# Altium PCB PRO2.PcbDoc (part 2 of 2)
Units mil, origin at the board's own origin, x right, y up, seen from the top; angles counter-clockwise.
Board outline 7000 x 3100 mil, 2 copper layers (Top Layer, Bottom Layer); 103 components, 180 nets, 670 pads, 125 vias.
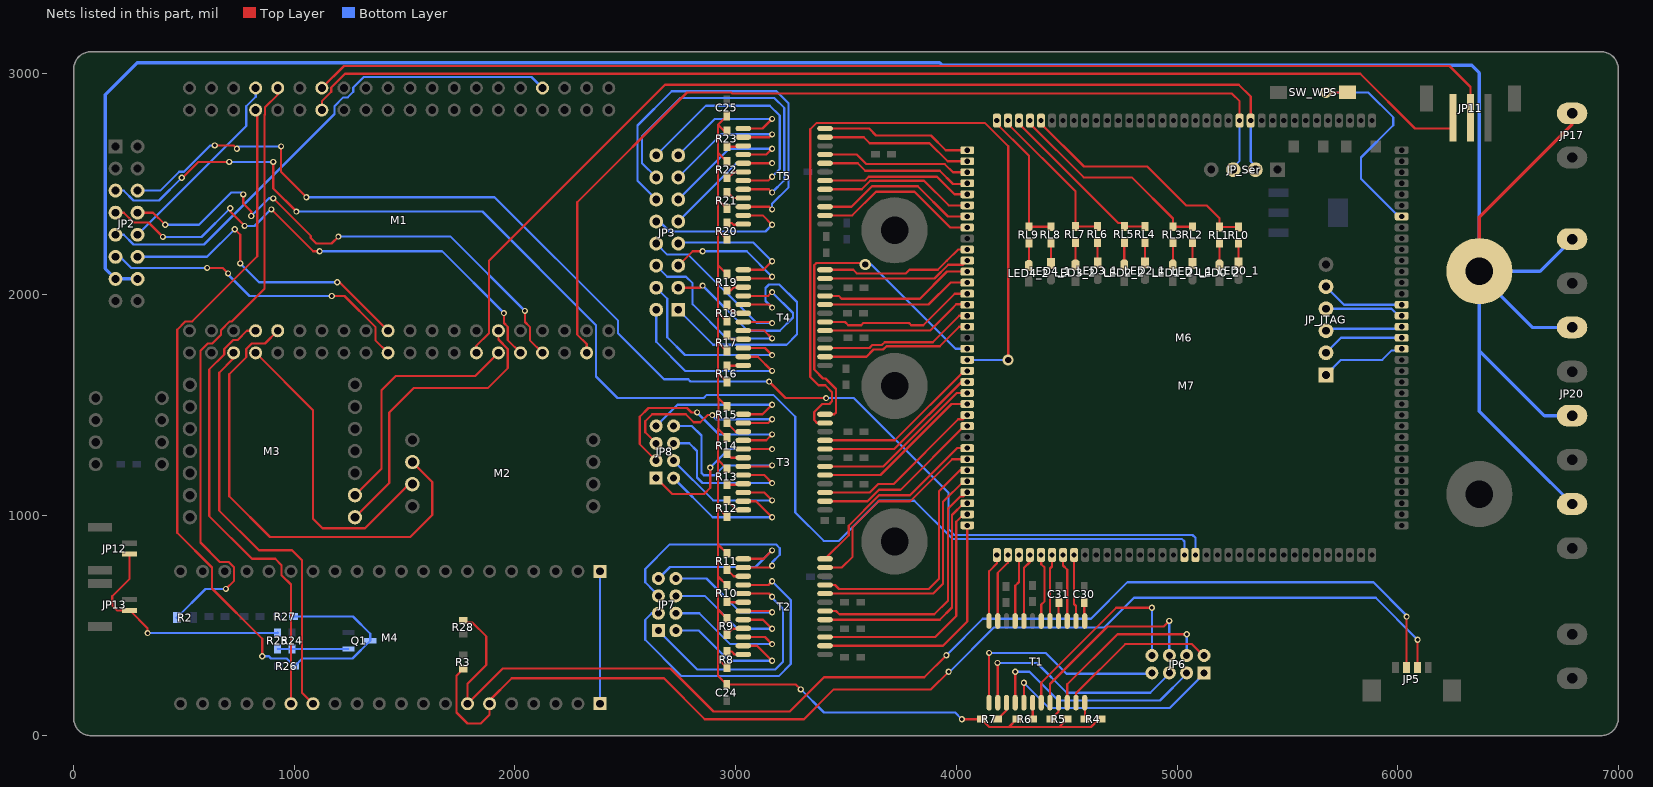
[diagram p2: the nets of this part, all layers, seen from the top]

## Via types
v1: diameter 28, hole 16, Top Layer to Bottom Layer, 106 vias
v2: diameter 50, hole 28, Top Layer to Bottom Layer, 19 vias

## Nets (pads, with @x,y where several pads share a name; then routed paths per layer and width w, separated by ;. In a path a pad name is that pad's centre, name@x,y a point inside that pad or via, vN(x,y) a via of type N, cw(c..) or ccw(c..) an arc to the next point about the centre after c; other vN are vias at no path point) (continued)
NetC24_1: C24.1 C25.1 R4.2 R5.2 R6.2 R7.2 R8.2 R9.2 R10.2 R11.2 R12.2 R13.2 R14.2 R15.2 R16.2 R17.2 R18.2 R19.2 R20.2 R21.2 R22.2 R23.2 | length 5398
  Top Layer w10: R8.2@2960,308.5 2920,348.5 ; R9.2@2960,531.5 2920,571.5 ; R10.2@2960,681.5 2920,721.5 ; R11.2@2960,826.5 2920,866.5 ; R12.2@2960,993.5 2920,1033.5 ; R13.2@2960,1210 2920,1250 ; R14.2@2960,1351.5 2920,1391.5 ; R15.2@2960,1491.5 2922,1529.5 ; R16.2@2960,1603.5 2920,1643.5 ; R17.2@2960,1743.5 2920,1783.5 ; R18.2@2960,1878.5 2920,1918.5 ; R19.2@2960,2091.5 2920,2131.5 ; R20.2@2960,2250 2920,2290 ; R21.2@2960,2388.5 2920,2428.5 ; R22.2@2960,2601.5 2920,2641.5 ; R23.2@2960,2741.5 2947,2741.5 2920,2768.5 ; C25.1@2960,2808.5 2920,2768.5 ; v1(3295,210) 3273.5,231.5 C24.1@2960,231.5 2920,271.5 2920,348.5 ; v1(4025,75) R7.2@4113.5,75 4148.5,40 4238.5,40 ; R6.2@4273.5,75 4238.5,40 ; R5.2@4501.5,75 4466.5,40 ; R4.2@4656.5,75 4645,75 4610,40 4466.5,40 ; 2920,348.5 2920,571.5 ; 2920,571.5 2920,721.5 ; 2920,721.5 2920,866.5 ; 2920,866.5 2920,1033.5 ; 2920,1033.5 2920,1250 ; 2920,1250 2920,1391.5 ; 2920,1391.5 2922,1393.5 2922,1529.5 ; 2920,1643.5 2920,1531.5 2922,1529.5 ; 2920,1643.5 2920,1783.5 ; 2920,1783.5 2920,1918.5 ; 2920,1918.5 2920,2131.5 ; 2920,2131.5 2920,2290 ; 2920,2290 2920,2428.5 ; 2920,2428.5 2920,2641.5 ; 2920,2641.5 2920,2768.5 ; 4238.5,40 4466.5,40
  Bottom Layer w10: v1(3295,210) 3400,105 3995,105 v1(4025,75)
NetC30_2: C30.2 T1.1 | length 84.1
  Top Layer w10: C30.2@4580,603.5 4580,521.57 T1.1@4581.54,520.04
NetC31_2: C31.2 T1.4 | length 84.1
  Top Layer w10: T1.4@4463.43,520.04 4463.43,601.93 C31.2@4465,603.5
NetJP3_1: JP3.1 T4.17 | length 1188.8
  Top Layer w10: T4.17@3034.96,1953.74 3151.26,1953.74 v1(3165,1940)
  Bottom Layer w10: JP3.1@2740,1930 2898,1772 3231,1772 3278,1819 3278,1965 3198,2045 3151,2045 3135,2029 3135,1970 v1(3165,1940)
NetJP3_2: JP3.2 T4.23 | length 881.4
  Top Layer w10: T4.23@3034.96,1717.52 3100.59,1717.52 v1(3165,1653.1)
  Bottom Layer w10: JP3.2@2640,1930 2640,1785 2771.9,1653.1 v1(3165,1653.1)
NetJP3_3: JP3.3 T4.16 | length 925.3
  Top Layer w10: JP3.3@2740,2030 2840,2030 v1(2850,2040) ; T4.16@3034.96,1993.11 3148.11,1993.11 v1(3165,2010)
  Bottom Layer w10: v1(2850,2040) 3055,1835 3200,1835 3260,1895 3260,1915 v1(3165,2010)
NetJP3_4: JP3.4 T4.22 | length 897.1
  Top Layer w10: T4.22@3034.96,1756.89 3133.11,1756.89 v1(3165,1725)
  Bottom Layer w10: JP3.4@2640,2030 2690,1980 2690,1805 2770,1725 v1(3165,1725)
NetJP3_5: JP3.5 T4.14 | length 633
  Top Layer w10: JP3.5@2740,2130 2805,2195 v1(2850,2195) ; T4.14@3034.96,2071.85 3156.85,2071.85 v1(3165,2080)
  Bottom Layer w10: v1(2850,2195) 3050,2195 v1(3165,2080)
NetJP3_6: JP3.6 T4.20 | length 862.1
  Top Layer w10: T4.20@3034.96,1835.63 3129.37,1835.63 v1(3165,1800)
  Bottom Layer w10: JP3.6@2640,2130 2690,2080 2775,2080 2805,2050 2805,1955 2960,1800 v1(3165,1800)
NetJP3_7: JP3.7 T4.13 | length 608.4
  Top Layer w10: T4.13@3034.96,2111.22 3126.22,2111.22 v1(3165,2150)
  Bottom Layer w10: JP3.7@2740,2230 2745,2235 3080,2235 v1(3165,2150)
NetJP3_8: JP3.8 T4.19 | length 806.2
  Top Layer w10: T4.19@3034.96,1875 3160,1875 v1(3165,1870)
  Bottom Layer w10: JP3.8@2640,2230 2690,2180 2785,2180 3095,1870 v1(3165,1870)
NetJP3_9: JP3.9 T5.17 | length 665.2
  Top Layer w10: T5.17@3034.96,2594.06 3164.06,2594.06 v1(3165,2595)
  Bottom Layer w10: JP3.9@2740,2330 3005,2595 v1(3165,2595)
NetJP3_10: JP3.10 T5.23 | length 703.8
  Top Layer w10: T5.23@3034.96,2357.83 3122.17,2357.83 v1(3165,2315)
  Bottom Layer w10: JP3.10@2640,2330 2655,2330 2700,2285 3135,2285 v1(3165,2315)
NetJP3_11: JP3.11 T5.16 | length 661.3
  Top Layer w10: T5.16@3034.96,2633.43 3138.43,2633.43 v1(3165,2660)
  Bottom Layer w10: JP3.11@2740,2430 2970,2660 v1(3165,2660)
NetJP3_12: JP3.12 T5.22 | length 1788.4
  Top Layer w10: T5.22@3034.96,2397.2 3152.8,2397.2 v1(3165,2385)
  Bottom Layer w10: JP3.12@2640,2430 2555,2515 2555,2765 2710,2920 3185,2920 3240,2865 3240,2485 3165,2410 v1(3165,2385)
NetJP3_13: JP3.13 T5.14 | length 641.1
  Top Layer w10: T5.14@3034.96,2712.17 3152.17,2712.17 v1(3165,2725)
  Bottom Layer w10: JP3.13@2740,2530 2935,2725 v1(3165,2725)
NetJP3_14: JP3.14 T5.20 | length 1490.4
  Top Layer w10: T5.20@3034.96,2475.94 3150.56,2475.94 v1(3165,2461.5)
  Bottom Layer w10: JP3.14@2640,2530 2575,2595 2575,2715 2750,2890 3175,2890 3220,2845 3220,2516.5 v1(3165,2461.5)
NetJP3_15: JP3.15 T5.13 | length 641.4
  Top Layer w10: T5.13@3034.96,2751.54 3121.54,2751.54 v1(3165,2795)
  Bottom Layer w10: JP3.15@2740,2630 2905,2795 v1(3165,2795)
NetJP3_16: JP3.16 T5.19 | length 1100.7
  Top Layer w10: T5.19@3034.96,2515.32 3147.32,2515.32 v1(3165,2533)
  Bottom Layer w10: JP3.16@2640,2630 2865,2855 3155,2855 3200,2810 3200,2568 v1(3165,2533)
NetJP6_1: JP6.1 T1.17 | length 1018.5
  Top Layer w10: T1.17@4305.94,149.96 v1(4305.94,239.69)
  Bottom Layer w10: v1(4305.94,239.69) 4420.63,125 4966.22,125 JP6.1@5122.48,281.26
NetJP6_2: JP6.2 T1.23 | length 737.6
  Top Layer w10: T1.23@4542.17,149.96 4542.17,192.17 4765,415 5067.48,415 JP6.2@5122.48,360
NetJP6_3: JP6.3 T1.16 | length 1021.3
  Top Layer w10: T1.16@4266.57,149.96 v1(4266.57,290)
  Bottom Layer w10: v1(4266.57,290) 4331.26,290 4461.26,160 4922.48,160 JP6.3@5043.74,281.26
NetJP6_4: JP6.4 T1.22 | length 817.9
  Top Layer w10: T1.22@4502.8,149.96 4502.8,232.8 4730,460 v1(5043.74,460)
  Bottom Layer w10: JP6.4@5043.74,360 v1(5043.74,460)
NetJP6_5: JP6.5 T1.14 | length 1050.7
  Top Layer w10: v1(4186.5,330) 4187.83,328.67 T1.14@4187.83,149.96
  Bottom Layer w10: v1(4186.5,330) 4365,330 4500,195 4878.74,195 JP6.5@4965,281.26
NetJP6_6: JP6.6 T1.20 | length 903.5
  Top Layer w10: T1.20@4424.06,149.96 4424.06,234.06 4685,495 4940,495 v1(4965,520)
  Bottom Layer w10: JP6.6@4965,360 v1(4965,520)
NetJP6_7: JP6.7 T1.13 | length 1001.6
  Top Layer w10: T1.13@4148.46,149.96 v1(4148.5,375) v1(4148.5,375)
  Bottom Layer w10: v1(4148.5,375) 4405,375 4498.74,281.26 JP6.7@4886.26,281.26
NetJP6_8: JP6.8 T1.19 | length 952.3
  Top Layer w10: T1.19@4384.69,149.96 4384.69,239.69 4725,580 v1(4886.26,580)
  Bottom Layer w10: JP6.8@4886.26,360 v1(4886.26,580)
NetJP7_1: JP7.1 T2.17 | length 1104.1
  Top Layer w10: T2.17@3034.96,644.06 3150.94,644.06 v1(3165,630)
  Bottom Layer w10: JP7.1@2650,476.26 2826.26,300 3180,300 3215,335 3215,575 3165,625 v1(3165,630)
NetJP7_2: JP7.2 T2.23 | length 650.8
  Top Layer w10: T2.23@3034.96,407.83 3097.17,407.83 v1(3165,340)
  Bottom Layer w10: JP7.2@2728.74,476.26 2833.74,476.26 2970,340 v1(3165,340)
NetJP7_3: JP7.3 T2.16 | length 1460.7
  Top Layer w10: T2.16@3034.96,683.43 3148.43,683.43 v1(3165,700)
  Bottom Layer w10: JP7.3@2650,555 2620,555 2590,525 2590,435 2755,270 3195,270 3250,325 3250,615 v1(3165,700)
NetJP7_4: JP7.4 T2.22 | length 637.6
  Top Layer w10: T2.22@3034.96,447.2 3132.8,447.2 v1(3165,415)
  Bottom Layer w10: JP7.4@2728.74,555 2835,555 2975,415 v1(3165,415)
NetJP7_5: JP7.5 T2.14 | length 1049
  Top Layer w10: T2.14@3034.96,762.17 3157.17,762.17 v1(3165,770)
  Bottom Layer w10: JP7.5@2650,633.74 2650,655 2630,655 2590,695 2590,755 2702,867 3183,867 3200,850 3200,820 3165,785 v1(3165,770)
NetJP7_6: JP7.6 T2.20 | length 644.9
  Top Layer w10: T2.20@3034.96,525.94 3124.06,525.94 v1(3165,485)
  Bottom Layer w10: JP7.6@2728.74,633.74 2860,633.74 3008.74,485 v1(3165,485)
NetJP7_7: JP7.7 T2.13 | length 713.8
  Top Layer w10: T2.13@3034.96,801.54 3126.54,801.54 v1(3165,840)
  Bottom Layer w10: JP7.7@2650,712.48 2702.52,765 3090,765 v1(3165,840)
NetJP7_8: JP7.8 T2.19 | length 632.3
  Top Layer w10: T2.19@3034.96,565.32 3158.9,565.32 v1(3165,559.21)
  Bottom Layer w10: JP7.8@2728.74,712.48 2867.52,712.48 3020.79,559.21 v1(3165,559.21)
NetJP8_1: JP8.1 T3.17 | length 823.4
  Top Layer w10: JP8.1@2640,1167.52 2712.52,1095 2856.9,1095 2885,1123.1 v1(2885,1215) ; T3.17@3034.96,1299.06 v1(3165,1299.06)
  Bottom Layer w10: v1(2885,1215) 2969.06,1299.06 v1(3165,1299.06)
NetJP8_2: JP8.2 T3.23 | length 680
  Top Layer w10: T3.23@3034.96,1062.83 3092.17,1062.83 v1(3165,990)
  Bottom Layer w10: JP8.2@2718.74,1167.52 2896.26,990 v1(3165,990)
NetJP8_3: JP8.3 T3.16 | length 1037.1
  Top Layer w10: JP8.3@2640,1246.26 2565,1321.26 2565,1445 2605,1485 2780,1485 2800,1465 v1(2825,1465) ; T3.16@3034.96,1338.43 3138.43,1338.43 v1(3165,1365)
  Bottom Layer w10: v1(2825,1465) 2925,1365 v1(3165,1365)
NetJP8_4: JP8.4 T3.22 | length 665.5
  Top Layer w10: T3.22@3034.96,1102.2 3129.3,1102.2 v1(3165,1066.5)
  Bottom Layer w10: JP8.4@2718.74,1246.26 2898.5,1066.5 v1(3165,1066.5)
NetJP8_5: JP8.5 T3.14 | length 884.4
  Top Layer w10: JP8.5@2640,1325 2590,1375 2590,1425 2621.54,1456.54 2773.46,1456.54 2810,1420 2840,1420 2873.1,1453.1 v1(2895,1453.1) ; T3.14@3034.96,1417.17 3148.34,1417.17 v1(3165,1433.82)
  Bottom Layer w10: v1(2895,1453.1) 2895,1450 2911.18,1433.82 v1(3165,1433.82)
NetJP8_6: JP8.6 T3.20 | length 736
  Top Layer w10: T3.20@3034.96,1180.94 3129.06,1180.94 v1(3165,1145)
  Bottom Layer w10: JP8.6@2718.74,1325 2790,1325 2825,1290 2825,1170 2850,1145 v1(3165,1145)
NetJP8_7: JP8.7 T3.13 | length 712.9
  Top Layer w10: T3.13@3034.96,1456.54 3121.54,1456.54 v1(3165,1500)
  Bottom Layer w10: JP8.7@2640,1403.74 2736.26,1500 v1(3165,1500)
NetJP8_8: JP8.8 T3.19 | length 789.1
  Top Layer w10: T3.19@3034.96,1220.32 3160.32,1220.32 v1(3165,1225)
  Bottom Layer w10: JP8.8@2718.74,1403.74 2801.26,1403.74 2845,1360 2845,1190 2855,1180 2905,1180 2950,1225 v1(3165,1225)
NetJP12_2: JP12.2 JP13.2 R25.2 | length 1080.7
  Top Layer w10: JP12.2@253.86,822.83 253.86,711.5 175,632.64 175,590 197.05,567.95 JP13.2@253.86,567.95 335,486.81 v1(335,465)
  Bottom Layer w10: v1(335,465) 923.5,465 R25.2@925,466.5
NetJP_JTAG_1: JP_JTAG.1 M6.124 | length 391.7
  Bottom Layer w10: JP_JTAG.1@5675,1635 5743.12,1703.12 5929.51,1703.12 5971.32,1744.93 6009.65,1744.93 M6.124@6017.82,1753.1
NetJP_JTAG_2: JP_JTAG.2 M6.123 | length 371
  Bottom Layer w10: JP_JTAG.2@5675,1735 5743.1,1803.1 M6.123@6017.82,1803.1
NetJP_JTAG_3: JP_JTAG.3 M6.122 | length 350.3
  Bottom Layer w10: JP_JTAG.3@5675,1835 5684.05,1844.05 6008.77,1844.05 M6.122@6017.82,1853.1
NetJP_JTAG_4: JP_JTAG.4 M6.121 | length 356
  Bottom Layer w10: JP_JTAG.4@5675,1935 5972.14,1935 6004.04,1903.1 M6.121@6017.82,1903.1
NetJP_JTAG_5: JP_JTAG.5 M6.120 | length 376.7
  Bottom Layer w10: JP_JTAG.5@5675,2035 5756.9,1953.1 M6.120@6017.82,1953.1
NetLED0_1_1: LED0_1.1 RL0.1 | length 90.5
  Top Layer w10: LED0_1.1@5278.82,2141.1 RL0.1@5278.82,2231.6
NetLED0_2_2: LED0_2.2 RL1.1 | length 98.5
  Top Layer w10: LED0_2.2@5192.13,2133.1 RL1.1@5192.13,2231.6
NetLED1_1_1: LED1_1.1 RL2.1 | length 93.5
  Top Layer w10: LED1_1.1@5070.26,2140 RL2.1@5070.26,2233.5
NetLED1_2_2: LED1_2.2 RL3.1 | length 101.7
  Top Layer w10: LED1_2.2@4981.17,2131.9 4981.17,2233.24 RL3.1@4981.43,2233.5
NetLED2_1_1: LED2_1.1 RL4.1 | length 93.5
  Top Layer w10: LED2_1.1@4855,2141.5 RL4.1@4855,2235
NetLED2_2_2: LED2_2.2 RL5.1 | length 101.7
  Top Layer w10: LED2_2.2@4760.92,2133.4 4760.92,2234.74 RL5.1@4761.18,2235
NetLED3_1_1: LED3_1.1 RL6.1 | length 93.5
  Top Layer w10: LED3_1.1@4640.26,2141.5 RL6.1@4640.26,2235
NetLED3_2_2: LED3_2.2 RL7.1 | length 101.6
  Top Layer w10: LED3_2.2@4539.74,2133.4 RL7.1@4539.74,2235
NetLED4_1_1: LED4_1.1 RL8.1 | length 93.5
  Top Layer w10: LED4_1.1@4428.57,2139.6 RL8.1@4428.57,2233.1
NetLED4_2_2: LED4_2.2 RL9.1 | length 101.6
  Top Layer w10: LED4_2.2@4328.57,2131.5 RL9.1@4328.57,2233.1
NetM4_1: M4.1 M4.40 | length 600
  Bottom Layer w10: M4.40@2385,145 M4.1@2385,745
NetM6_112: M6.112 SW_WPS.1 | length 1043.3
  Top Layer w10: v2(5675,2915) 5771.53,2915 SW_WPS.1@5772.31,2915.79
  Bottom Layer w10: v2(5675,2915) 5866.87,2915 5980,2801.87 5980,2766.43 5833.57,2620 5833.57,2523.58 6004.04,2353.1 M6.112@6017.82,2353.1
NetQ1_1: Q1.1 R24.2 R25.1 | length 320.4
  Bottom Layer w10: R25.1@925,393.5 R24.2@990,393.5 990.9,392.6 Q1.1@1245,392.6
NetR4_1: R4.1 T1.24 | length 75.8
  Top Layer w10: T1.24@4581.54,149.96 4583.5,148 R4.1@4583.5,75
NetR5_1: R5.1 T1.21 | length 89.4
  Top Layer w10: R5.1@4428.5,75 4463.43,109.93 T1.21@4463.43,149.96
NetR6_1: R6.1 T1.18 | length 75.5
  Top Layer w10: T1.18@4345.31,149.96 4346.5,148.78 R6.1@4346.5,75
NetR7_1: R7.1 T1.15 | length 91.8
  Top Layer w10: R7.1@4186.5,75 4227.2,115.7 T1.15@4227.2,149.96
NetR8_1: R8.1 T2.24 | length 80.4
  Top Layer w10: R8.1@2960,381.5 2981.96,381.5 2995,368.46 T2.24@3034.96,368.46
NetR9_1: R9.1 T2.21 | length 86.6
  Top Layer w10: R9.1@2960,458.5 2986.5,485 3033.39,485 T2.21@3034.96,486.57
NetR10_1: R10.1 T2.18 | length 76.5
  Top Layer w10: R10.1@2960,608.5 2963.81,604.69 T2.18@3034.96,604.69
NetR11_1: R11.1 T2.15 | length 87.7
  Top Layer w10: R11.1@2960,753.5 2990.7,722.8 T2.15@3034.96,722.8
NetR12_1: R12.1 T3.24 | length 92.8
  Top Layer w10: R12.1@2960,1066.5 3003.04,1023.46 T3.24@3034.96,1023.46
NetR13_1: R13.1 T3.21 | length 76.9
  Top Layer w10: R13.1@2960,1137 3030.39,1137 T3.21@3034.96,1141.57
NetR14_1: R14.1 T3.18 | length 82.8
  Top Layer w10: R14.1@2960,1278.5 2978.81,1259.69 T3.18@3034.96,1259.69
NetR15_1: R15.1 T3.15 | length 91.8
  Top Layer w10: R15.1@2960,1418.5 3000.7,1377.8 T3.15@3034.96,1377.8
NetR16_1: R16.1 T4.24 | length 75.6
  Top Layer w10: R16.1@2960,1676.5 3033.31,1676.5 T4.24@3034.96,1678.15
NetR17_1: R17.1 T4.21 | length 83.3
  Top Layer w10: R17.1@2960,1816.5 2980.24,1796.26 T4.21@3034.96,1796.26
NetR18_1: R18.1 T4.18 | length 90.3
  Top Layer w10: R18.1@2960,1951.5 2997.13,1914.37 T4.18@3034.96,1914.37
NetR19_1: R19.1 T4.15 | length 80.8
  Top Layer w10: R19.1@2960,2018.5 2978.5,2018.5 2992.48,2032.48 T4.15@3034.96,2032.48
NetR20_1: R20.1 T5.24 | length 79.7
  Top Layer w10: R20.1@2960,2323 2982,2323 2990,2315 3031.5,2315 T5.24@3034.96,2318.46
NetR21_1: R21.1 T5.21 | length 85.3
  Top Layer w10: R21.1@2960,2461.5 2963.5,2461.5 2988.43,2436.57 T5.21@3034.96,2436.57
NetR22_1: R22.1 T5.18 | length 85.8
  Top Layer w10: R22.1@2960,2528.5 2966.3,2528.5 2992.48,2554.69 T5.18@3034.96,2554.69
NetR23_1: R23.1 T5.15 | length 76.7
  Top Layer w10: R23.1@2960,2668.5 3030.67,2668.5 T5.15@3034.96,2672.8
NLED0: M6.75 RL0.2 RL1.2 | length 1126.7
  Top Layer w10: M6.75@4383.57,2787.36 4383.57,2773.58 4578.09,2579.05 4865,2579.05 5040.95,2403.1 5133.57,2403.1 5192.13,2344.54 RL1.2@5192.13,2304.6 RL0.2@5278.82,2304.6
NLED1: M6.74 RL2.2 RL3.2 | length 965.7
  Top Layer w10: M6.74@4333.57,2787.36 4333.57,2773.58 4577.14,2530 4795,2530 4981.43,2343.57 RL3.2@4981.43,2306.5 RL2.2@5070.26,2306.5
NLED2: M6.73 RL4.2 RL5.2 | length 780.6
  Top Layer w10: M6.73@4283.57,2787.36 4283.57,2773.58 4734.14,2323 4750.43,2323 4761.18,2312.25 RL5.2@4761.18,2308 RL4.2@4855,2308
NLED3: M6.72 RL6.2 RL7.2 | length 706.7
  Top Layer w10: M6.72@4233.57,2787.36 4233.57,2773.58 4539.74,2467.4 RL7.2@4539.74,2308 RL6.2@4640.26,2308
NLED4: M6.71 RL8.2 RL9.2 | length 641.6
  Top Layer w10: M6.71@4183.57,2787.36 4183.57,2773.58 4322.14,2635 4322.71,2635 4328.57,2629.14 RL9.2@4328.57,2306.1 RL8.2@4428.57,2306.1
P0_A_N: M6.29 T1.3 | length 306.8
  Top Layer w10: M6.29@4483.57,818.85 4483.57,771.43 4502.8,752.2 T1.3@4502.8,520.04
P0_A_P: M6.28 T1.2 | length 302.4
  Top Layer w10: M6.28@4533.57,818.85 4533.57,596.43 4542.17,587.83 T1.2@4542.17,520.04
P0_B_N: M6.31 T1.6 | length 312
  Top Layer w10: M6.31@4383.57,818.85 4384.69,817.73 4384.69,777.38 4400,762.07 4400,609.78 4384.69,594.46 T1.6@4384.69,520.04
P0_B_P: M6.30 T1.5 | length 302.8
  Top Layer w10: T1.5@4424.06,520.04 4424.06,757.56 4433.57,767.07 M6.30@4433.57,818.85
P0_C_N: M6.33 T1.9 | length 305.9
  Top Layer w10: T1.9@4266.57,520.04 4266.57,680 4283.57,696.99 M6.33@4283.57,818.85
P0_C_P: M6.32 T1.8 | length 310.3
  Top Layer w10: T1.8@4305.94,520.04 4305.94,760 4333.57,787.62 M6.32@4333.57,818.85
P0_D_N: M6.35 T1.12 | length 313.4
  Top Layer w10: T1.12@4148.46,520.04 4148.46,745 4183.57,780.1 M6.35@4183.57,818.85
P0_D_P: M6.34 T1.11 | length 317.8
  Top Layer w10: T1.11@4187.83,520.04 4187.83,737.83 4233.57,783.57 M6.34@4233.57,818.85
P1_A_N: M6.37 T2.3 | length 1125.1
  Top Layer w10: T2.3@3405.04,447.2 3905,447.2 4000,542.2 4000,970 4033.1,1003.1 M6.37@4049.31,1003.1
P1_A_P: M6.36 T2.2 | length 1125.5
  Top Layer w10: T2.2@3405.04,407.83 3940,407.83 4049.31,517.15 M6.36@4049.31,953.1
P1_B_N: M6.39 T2.6 | length 1123.5
  Top Layer w10: T2.6@3405.04,565.32 3454.69,565.32 3470,550 3900,550 3962,612 3962,1028.2 4017.62,1083.82 4030.03,1083.82 M6.39@4049.31,1103.1
P1_B_P: M6.38 T2.5 | length 1108.1
  Top Layer w10: T2.5@3405.04,525.94 3925,525.94 3980,580.94 3980,1000 4033.1,1053.1 M6.38@4049.31,1053.1
P1_C_N: M6.41 T2.9 | length 1107.1
  Top Layer w10: T2.9@3405.04,683.43 3450,683.43 3468.43,665 3875,665 3922,712 3922,1108.57 4016.53,1203.1 M6.41@4049.31,1203.1
P1_C_P: M6.40 T2.8 | length 1072.4
  Top Layer w10: T2.8@3405.04,644.06 3895,644.06 3940,689.06 3940,1060 4033.1,1153.1 M6.40@4049.31,1153.1
P1_D_N: M6.43 T2.12 | length 877.5
  Top Layer w10: T2.12@3405.04,801.54 3512,908.5 3512,952 3650,1090 3790,1090 4003.1,1303.1 M6.43@4049.31,1303.1
P1_D_P: M6.42 T2.11 | length 925.6
  Top Layer w10: T2.11@3405.04,762.17 3480.67,762.17 3530,811.5 3530,944.54 3648.29,1062.83 3790.63,1062.83 3980.9,1253.1 M6.42@4049.31,1253.1
P2_A_N: M6.46 T3.3 | length 789.6
  Top Layer w10: T3.3@3405.04,1102.2 3607.2,1102.2 3645,1140 3715,1140 4008.82,1433.82 4030.03,1433.82 M6.46@4049.31,1453.1
P2_A_P: M6.45 T3.2 | length 785.2
  Top Layer w10: T3.2@3405.04,1062.83 3597.38,1062.83 3649.54,1115 3747.48,1115 4035.59,1403.1 M6.45@4049.31,1403.1
P2_B_N: M6.48 T3.6 | length 782.1
  Top Layer w10: T3.6@3405.04,1220.32 3668.78,1220.32 4001.57,1553.1 M6.48@4049.31,1553.1
P2_B_P: M6.47 T3.5 | length 777.7
  Top Layer w10: T3.5@3405.04,1180.94 3405.09,1181 3656,1181 3978.1,1503.1 M6.47@4049.31,1503.1
P2_C_N: M6.50 T3.9 | length 774.6
  Top Layer w10: T3.9@3405.04,1338.43 3721.53,1338.43 4036.21,1653.1 M6.50@4049.31,1653.1
P2_C_P: M6.49 T3.8 | length 770.2
  Top Layer w10: T3.8@3405.04,1299.06 3719.06,1299.06 4023.1,1603.1 M6.49@4049.31,1603.1
P2_D_N: M6.52 T3.12 | length 1636.2
  Top Layer w10: T3.12@3405.04,1456.54 3447,1456.54 3455,1464.54 3455,1571 3407,1619 3396,1619 3356,1659 3356,2132 3366,2142 3591,2142 3587.2,2138.2 v2(3587.2,2135)
  Bottom Layer w10: v2(3587.2,2135) 3614,2135 3995.9,1753.1 M6.52@4049.31,1753.1
P2_D_P: M6.51 T3.11 | length 3590.8
  Top Layer w10: T3.11@3405.04,1417.17 3369,1417.17 3356,1430.17 3356,1467 3392,1503 3425,1503 3437,1515 3437,1557 3406,1588 3375,1588 3338,1625 3338,2748 3367,2777 4129,2777 4235,2671 v2(4235,1703.1)
  Bottom Layer w10: M6.51@4049.31,1703.1 v2(4235,1703.1)
P3_A_N: M6.55 T4.3 | length 704.8
  Top Layer w10: T4.3@3405.04,1756.89 3606.43,1756.89 3619.54,1770 3662.63,1770 3675.63,1783 3893,1783 4013.1,1903.1 M6.55@4049.31,1903.1
P3_A_P: M6.54 T4.2 | length 700.4
  Top Layer w10: T4.2@3405.04,1717.52 3592.52,1717.52 3625,1750 3668.09,1750 3683.09,1765 3925,1765 4013.1,1853.1 M6.54@4049.31,1853.1
P3_B_N: M6.57 T4.6 | length 718
  Top Layer w10: T4.6@3405.04,1875 3460,1875 3483.44,1875 3495.16,1875 3510.16,1860 3533.59,1860 3545.31,1860 3568.75,1860 3578.75,1870 3746.25,1870 3785.63,1870 3795.63,1860 3850,1860 3993.1,2003.1 M6.57@4049.31,2003.1
P3_B_P: M6.56 T4.5 | length 694.4
  Top Layer w10: T4.5@3405.04,1835.63 3523.97,1835.63 3761.82,1835.63 3880.74,1835.63 3978.94,1933.82 4000,1954.89 4047.53,1954.89 M6.56@4049.31,1953.1
P3_C_N: M6.59 T4.9 | length 700.7
  Top Layer w10: T4.9@3405.04,1993.11 3466.89,1993.11 3480,1980 3835,1980 3958.1,2103.1 M6.59@4049.31,2103.1
P3_C_P: M6.58 T4.8 | length 685.4
  Top Layer w10: T4.8@3405.04,1953.74 3873.74,1953.74 3973.1,2053.1 M6.58@4049.31,2053.1
P3_D_N: M6.61 T4.12 | length 695.8
  Top Layer w10: T4.12@3405.04,2111.22 3532.61,2111.22 3548.83,2095 3771.52,2095 3787.74,2111.22 3915.31,2111.22 3955.91,2151.82 3956.82,2151.82 4008.1,2203.1 M6.61@4049.31,2203.1
P3_D_P: M6.60 T4.11 | length 677.9
  Top Layer w10: T4.11@3405.04,2071.85 3901.39,2071.85 3963.37,2133.82 4030.03,2133.82 M6.60@4049.31,2153.1
P4_A_N: M6.64 T5.3 | length 739.4
  Top Layer w10: T5.3@3405.04,2397.2 3525,2397.2 3617.8,2490 3825,2490 3961.9,2353.1 M6.64@4049.31,2353.1
P4_A_P: M6.63 T5.2 | length 755.7
  Top Layer w10: T5.2@3405.04,2357.83 3528.88,2357.83 3636.04,2465 3810,2465 3971.9,2303.1 M6.63@4049.31,2303.1
P4_B_N: M6.66 T5.6 | length 684.7
  Top Layer w10: T5.6@3405.04,2515.32 3584.86,2515.32 3602.54,2533 3912,2533 3991.9,2453.1 M6.66@4049.31,2453.1
P4_B_P: M6.65 T5.5 | length 706.8
  Top Layer w10: T5.5@3405.04,2475.94 3570.94,2475.94 3610,2515 3853.1,2515 3965,2403.1 M6.65@4049.31,2403.1
P4_C_N: M6.68 T5.9 | length 677.5
  Top Layer w10: T5.9@3405.04,2633.43 3549.09,2633.43 3592.52,2590 3948.1,2590 3985,2553.1 M6.68@4049.31,2553.1
P4_C_P: M6.67 T5.8 | length 684.5
  Top Layer w10: T5.8@3405.04,2594.06 3553.15,2594.06 3587.2,2560 3925,2560 3985,2500 4046.21,2500 M6.67@4049.31,2503.1
P4_D_N: M6.70 T5.12 | length 685
  Top Layer w10: T5.12@3405.04,2751.54 3604.72,2751.54 3636.26,2720 3885,2720 3951.9,2653.1 M6.70@4049.31,2653.1
P4_D_P: M6.69 T5.11 | length 689.4
  Top Layer w10: T5.11@3405.04,2712.17 3580.38,2712.17 3607.54,2685 3878.56,2685 3960.46,2603.1 M6.69@4049.31,2603.1
PGND: JP2.13 JP2.14 JP17.2 JP20.2 JP20.4 JP20.6 JP20.8 M7.5 | length 11854.8
  Top Layer w15: M7.5@6370,2105 6370,2350 6790,2770 JP17.2@6790,2820
  Bottom Layer w15: JP2.14@290,2070 JP2.13@190,2070 143,2117 143,2905 288,3050 3924,3050 3936,3038 6335,3038 6370,3003 6370,2385 M7.5@6370,2105 6370,1885 6370,1515 6370,1470 6600,1240 JP20.2@6790,1050 ; 6370,1745 6665,1450 JP20.4@6790,1450 ; JP20.6@6790,1850 6610,1850 6355,2105 6645,2105 JP20.8@6790,2250
RX1: JP_Ser.2 M1.14 M6.94 | length 4585.2
  Top Layer w10: M1.14@1825,1735 1825,1766.5 1882.47,1823.97 1882.47,2152.47 2680,2950 5280,2950 5333.57,2896.43 M6.94@5333.57,2787.36
  Bottom Layer w10: M6.94@5333.57,2787.36 5333.57,2601.84 5355,2580.4 JP_Ser.2@5355,2565
RX2: M1.31 M2.2 | length 2191.7
  Top Layer w10: M1.31@925,1835 867.53,1777.53 807.38,1777.53 782.47,1752.62 782.47,1715.58 705,1638.1 705,1085 890,900 1525,900 1625,1000 1625,1150 M2.2@1535,1240
RX3: M1.11 M3.8 | length 1346.8
  Top Layer w10: M3.8@1275,990 1430,1145 1430,1465 1540,1575 1876.85,1575 1967.53,1665.68 1967.53,1752.62 1925,1795.14 M1.11@1925,1835
RX4: M1.33 M4.26 | length 2027
  Top Layer w10: M1.33@825,1835 785.14,1835 742.62,1792.47 722.33,1792.47 682.47,1752.62 682.47,1727.47 615,1660 615,995 808.46,801.54 913.46,801.54 942.47,772.53 942.47,727.38 985,684.86 M4.26@985,145
RX5: JP2.8 M1.8 | length 2418.1
  Top Layer w10: JP2.8@290,2370 360,2370 v1(415,2315) ; v1(768.5,2453.1) 768.5,2411.5 805,2375 v1(805,2355) ; v1(905,2435) 1075,2265 1075,2255 1100,2230 1168.5,2230 v1(1200,2261.5) ; v1(2045,1925) 2045,1875.14 2067.53,1852.62 2067.53,1792.47 M1.8@2125,1735
  Bottom Layer w10: v1(415,2315) 568.5,2315 715,2461.5 760.1,2461.5 v1(768.5,2453.1) ; v1(805,2355) 885,2435 v1(905,2435) ; v1(1200,2261.5) 1708.5,2261.5 v1(2045,1925)
RX6: JP2.10 M1.73 | length 886.6
  Bottom Layer w10: JP2.10@290,2270 782.47,2762.47 782.47,2852.62 825,2895.14 M1.73@825,2935
RX7: JP2.12 M1.21 | length 1453.5
  Top Layer w10: v1(730,2295) 755,2270 v1(755,2140) ; v1(1195,2055) 1205,2055 M1.21@1425,1835
  Bottom Layer w10: JP2.12@290,2170 605,2170 v1(730,2295) ; v1(755,2140) 840,2055 v1(1195,2055)
RX8: JP11.2 M1.67 | length 5435.8
  Top Layer w10: M1.67@1135,2935 M1.67@1125,2935 1225,3035 6235,3035 6330,2940 JP11.2@6330,2800
TX1: JP_Ser.3 M1.4 M6.93 | length 4245.3
  Top Layer w10: M1.4@2325,1735 2325,1774.86 2282.47,1817.38 2282.47,2417.47 2779.5,2914.5 2980.38,2914.5 2984.88,2910 5248.57,2910 5283.57,2875 M6.93@5283.57,2787.36
  Bottom Layer w10: JP_Ser.3@5255,2565 5255,2576.41 5283.57,2604.97 M6.93@5283.57,2787.36
TX2: M1.34 M2.3 | length 1410.3
  Top Layer w10: M1.34@825,1735 1085,1475 1085,983.1 1128.1,940 1320,940 1520,1140 M2.3@1535,1140
TX3: M1.12 M3.9 | length 1125.1
  Top Layer w10: M3.9@1275,1090 1395,1210 1395,1565 1460,1630 1820,1630 M1.12@1925,1735
TX4: M1.36 M4.27 | length 1880.8
  Top Layer w10: M1.36@725,1735 725,1710 660,1645 660,1020 840,840 990,840 1035,795 1035,195 M4.27@1085,145
TX5: JP2.7 M1.10 | length 2338.1
  Top Layer w10: JP2.7@190,2370 227.07,2370 271.57,2325.5 339.5,2325.5 v1(405,2260) ; v1(710,2390) 710,2375 v1(775,2310) ; v1(896.25,2385) 1086.25,2195 v1(1115,2195) ; v1(1950,1915) 1950,1870.14 1967.53,1852.62 1967.53,1792.47 M1.10@2025,1735
  Bottom Layer w10: v1(405,2260) 580,2260 v1(710,2390) ; v1(775,2310) 820,2310 895,2385 v1(896.25,2385) ; v1(1115,2195) 1670,2195 v1(1950,1915)
TX6: JP2.9 M1.47 | length 2321.2
  Bottom Layer w10: JP2.9@190,2270 227.07,2270 271.57,2225.5 590.5,2225.5 1182.47,2817.47 1182.47,2852.62 1222.33,2892.47 1242.62,2892.47 1267.53,2917.38 1267.53,2937.67 1314.86,2985 2075,2985 M1.47@2125,2935
TX7: JP2.11 M1.22 | length 1456.9
  Top Layer w10: v1(605,2120) 675,2120 v1(700,2095) ; v1@1167.53,1995 v1(1170.06,1992.47) 1227.67,1992.47 1367.53,1852.62 1367.53,1792.47 M1.22@1425,1735
  Bottom Layer w10: JP2.11@190,2170 210,2170 260,2120 v1(605,2120) ; v1(700,2095) 700,2090 797.53,1992.47 v1(1170.06,1992.47)
TX8: JP11.1 M1.68 | length 5375.3
  Top Layer w10: M1.68@1125,2835 1125,2874.86 1167.53,2917.38 1167.53,2937.67 1207.38,2977.53 1207.53,2977.53 1230,3000 5830,3000 6078.74,2751.26 6240.51,2751.26 6251.26,2762.01 JP11.1@6251.26,2800
U2_DM: JP2.5 M6.18 | length 6331
  Top Layer w10: v1(490,2528.5) 493.5,2528.5 565,2600 v1(705,2600) ; v1(905,2600) 905,2480 v1(1010,2375)
  Bottom Layer w10: JP2.5@190,2470 227.07,2470 271.57,2425.5 387,2425.5 v1(490,2528.5) ; v1(705,2600) v1(905,2600) ; v1(1010,2375) 1852.67,2375 2367.53,1860.14 2367.53,1627.47 2465,1530 2855,1530 2869.5,1544.5 3170.5,1544.5 3270,1445 3270,1011.82 3398.82,883 3468,883 3650,1065 3809.54,1065 3982.54,892 5021.57,892 5033.57,880 M6.18@5033.57,818.85
U2_DP: JP2.6 M6.17 | length 5898.9
  Top Layer w10: v1(640,2675) 725,2675 v1(740,2660) ; v1(940,2670) 940,2555 v1(1055,2440) ; v1(3151.26,1605) 3226.26,1530 v1(3410,1530)
  Bottom Layer w10: JP2.6@290,2470 393.32,2470 478.82,2555.5 500.5,2555.5 620,2675 v1(640,2675) ; v1(740,2660) 750,2670 v1(940,2670) ; v1(1055,2440) 1907.67,2440 2467.53,1880.14 2467.53,1822.47 2675,1615 2785,1615 2795,1605 v1(3151.26,1605) ; v1(3410,1530) 3535,1530 3965,1100 3965,935 3990,910 5070,910 5083.57,896.43 M6.17@5083.57,818.85
Water: M1.74 Q1.3 R26.2 R27.1 | length 3772.2
  Top Layer w10: M1.74@825,2835 832,2828 832,2172 537.53,1877.53 507.38,1877.53 470,1840.14 470,920.14 627.53,762.62 627.53,667.47 855,440 v1(855,360)
  Bottom Layer w10: v1(855,360) 885,360 895,350 966.5,350 R26.2@1001.5,315 1036.5,350 1263.97,350 Q1.3@1343.97,430 1343.97,462.29 1266.26,540 R27.1@996.5,540
WD_NRST: M1.71 R2.1 | length 2811.4
  Top Layer w10: v1(690,665) 727.53,702.53 727.53,762.62 702.62,787.53 662.47,787.53 574.86,875.14 574.86,1745 607.38,1777.53 627.67,1777.53 667.53,1817.38 667.53,1837.67 707.38,1877.53 717.53,1877.53 865,2025 865,2812.33 867.53,2814.86 867.53,2847.53 925,2905 M1.71@925,2935
  Bottom Layer w10: R2.1@467.6,535 597.59,665 v1(690,665)
WD_SCL: JP5.2 M4.34 R28.2 | length 5418
  Top Layer w10: R28.2@1765,522.99 1775.75,512.24 1807.87,512.24 1870,450.12 1870,320 1785,235 M4.34@1785,145 1945,305 2705,305 2900,110 3245,110 3400,265 3855,265 v1(3955,365) ; JP5.2@6039.85,309 6040,309.15 v1(6040,540)
  Bottom Layer w10: v1(3955,365) 4120,530 4610,530 4775,695 5889.85,695 6040,544.85 v1(6040,540)
WD_SDA: JP5.3 M4.35 R3.2 | length 5219.6
  Top Layer w10: R3.2@1765,302.01 1761.75,302.01 1751,291.26 1751,288.01 1735,272.01 1735,105 1785,55 1845,55 1885,95 M4.35@1885,145 1885,160 1985,260 2675,260 2860,75 3310,75 3445,210 3885,210 v1(3965,290) ; JP5.3@6089.06,309 6090,309.94 v1(6090,435)
  Bottom Layer w10: v1(3965,290) 3970,290 4170,490 4670,490 4805,625 5900,625 v1(6090,435)
pads on no net: JP5.0 JP11.0 JP12.0 JP13.0 M1.6 M1.7 M1.9 M1.13 M1.15 M1.16 M1.17 M1.18 M1.19 M1.20 M1.23 M1.25 M1.26 M1.27 M1.28 M1.29 M1.30 M1.32 M1.35 M1.37 M1.38 M1.39 M1.40 M1.41 M1.43 M1.44 M1.45 M1.46 M1.48 M1.49 M1.50 M1.51 M1.53 M1.54 M1.55 M1.56 M1.57 M1.58 M1.59 M1.60 M1.61 M1.62 M1.64 M1.65 M1.66 M1.70 M1.72 M1.75 M1.76 M1.77 M1.78 M1.79 M1.80 M2.5 M2.6 M2.7 M2.8 M3.2 M3.3 M3.4 M3.5 M3.6 M3.7 M3.10 M3.11 M3.12 M3.13 M4.2 M4.3 M4.4 M4.5 M4.6 M4.7 M4.8 M4.9 M4.10 M4.11 M4.12 M4.13 M4.14 M4.15 M4.16 M4.18 M4.21 M4.22 M4.23 M4.24 M4.25 M4.28‘ M4.29 M4.30 M4.31 M4.32 M4.33 M4.36 M4.37 M6.9 M6.10 M6.11 M6.12 M6.13 M6.14 M6.15 M6.16 M6.20 M6.21 M6.22 M6.23 M6.25 M6.26 M6.76 M6.77 M6.78 M6.79 M6.80 M6.81 M6.82 M6.83 M6.84 M6.85 M6.86 M6.87 M6.88 M6.89 M6.90 M6.91 M6.95 M6.96 M6.97 M6.98 M6.99 M6.100 M6.101 M6.102 M6.103 M6.104 M6.105 M6.106 M6.107 M6.108 M6.109 M6.110 M6.111 M6.113 M6.114 M6.115 M6.116 M6.117 M6.118 M6.126 M6.127 M6.128 M6.129 M6.130 M6.131 M6.132 M6.133 M6.134 M6.135 M6.136 M6.137 M6.138 M6.139 M6.140

## Silkscreen, mask and mechanical layers (free items; w line width, h text height)
Top Overlay:
  lines w10: 6250,1930 6485,1930 6585,2030 ; 6315,890 6475,890 6570,985 ; 6530,985 6570,985 ; 6555,2030 6585,2030 ; 6570,955 6570,985 ; 6585,1990 6585,2030
  text "上下仓通信" at 6245,3020 h60
  text "SIG" at 250,2968 h60
  text "NET" at 2690,2955 h60
  text "PGND" at 6585,2935 h60
  text "G T R 5" at 5070,2630 h60
  text "12V" at 6430,2600 h60
  text "NW4" at 4293.57,2363.1 h60
  text "NW3" at 4505,2363.1 h60
  text "NW2" at 4730,2360 h60
  text "NW1" at 4959,2360 h60
  text "NW0" at 5165,2360 h60
  text "PGND" at 6315,2285 h60
  text "12V" at 6090,1900 h60
  text "PGND" at 6315,1820 h60
  text "12V" at 6380,1615 h60
  text "PGND" at 6315,1445 h60
  text "12V" at 6385,1270 h60
  text "PGND" at 6065,860 h60
  text "12V" at 6360,780 h60
  text "GND" at 6405,425 h60
  text "5V" at 6440,239.69 h60
  text "水深IIC" at 6065,75 h60
Mechanical 1:
  the board outline again, w10

## Text inside footprints (layer, text, board x,y; h text height)
JP2: Top Overlay "16" at 262,1758 h40 r270; Top Overlay "15" at 162,1758 h40 r270; Top Overlay "2" at 270,2930 h40 r270; Top Overlay "1" at 170,2920 h40 r270
JP3: Top Overlay "15" at 2768,2842 h40 r90; Top Overlay "16" at 2668,2842 h40 r90; Top Overlay "2" at 2660,1670 h40 r90; Top Overlay "1" at 2760,1680 h40 r90
JP6: Top Overlay "8" at 4784.37,384.37 h40 r180; Top Overlay "7" at 4784.37,294.37 h40 r180; Top Overlay "1" at 5234.37,294.37 h40 r180; Top Overlay "2" at 5248.74,379.37 h40 r180
JP7: Top Overlay "8" at 2749.37,814.37 h40 r90; Top Overlay "7" at 2659.37,814.37 h40 r90; Top Overlay "1" at 2659.37,364.37 h40 r90; Top Overlay "2" at 2744.37,350 h40 r90
JP8: Top Overlay "8" at 2739.37,1505.63 h40 r90; Top Overlay "7" at 2649.37,1505.63 h40 r90; Top Overlay "1" at 2649.37,1055.63 h40 r90; Top Overlay "2" at 2734.37,1041.26 h40 r90
M1: Top Overlay "TypeC" at 2250.52,2563.71 h60
M2: Top Overlay "VCC" at 1590,1315 h60
M3: Top Overlay "x" at 991.97,1210 h60; Top Overlay "y" at 896.97,1320 h60; Top Overlay "z" at 766.97,1165 h60
M4: Top Overlay "3.3" at 2345,30 h40